# Altium PCB P22296-1-DES-1.2.PcbDoc (part 1 of 5) (continued)
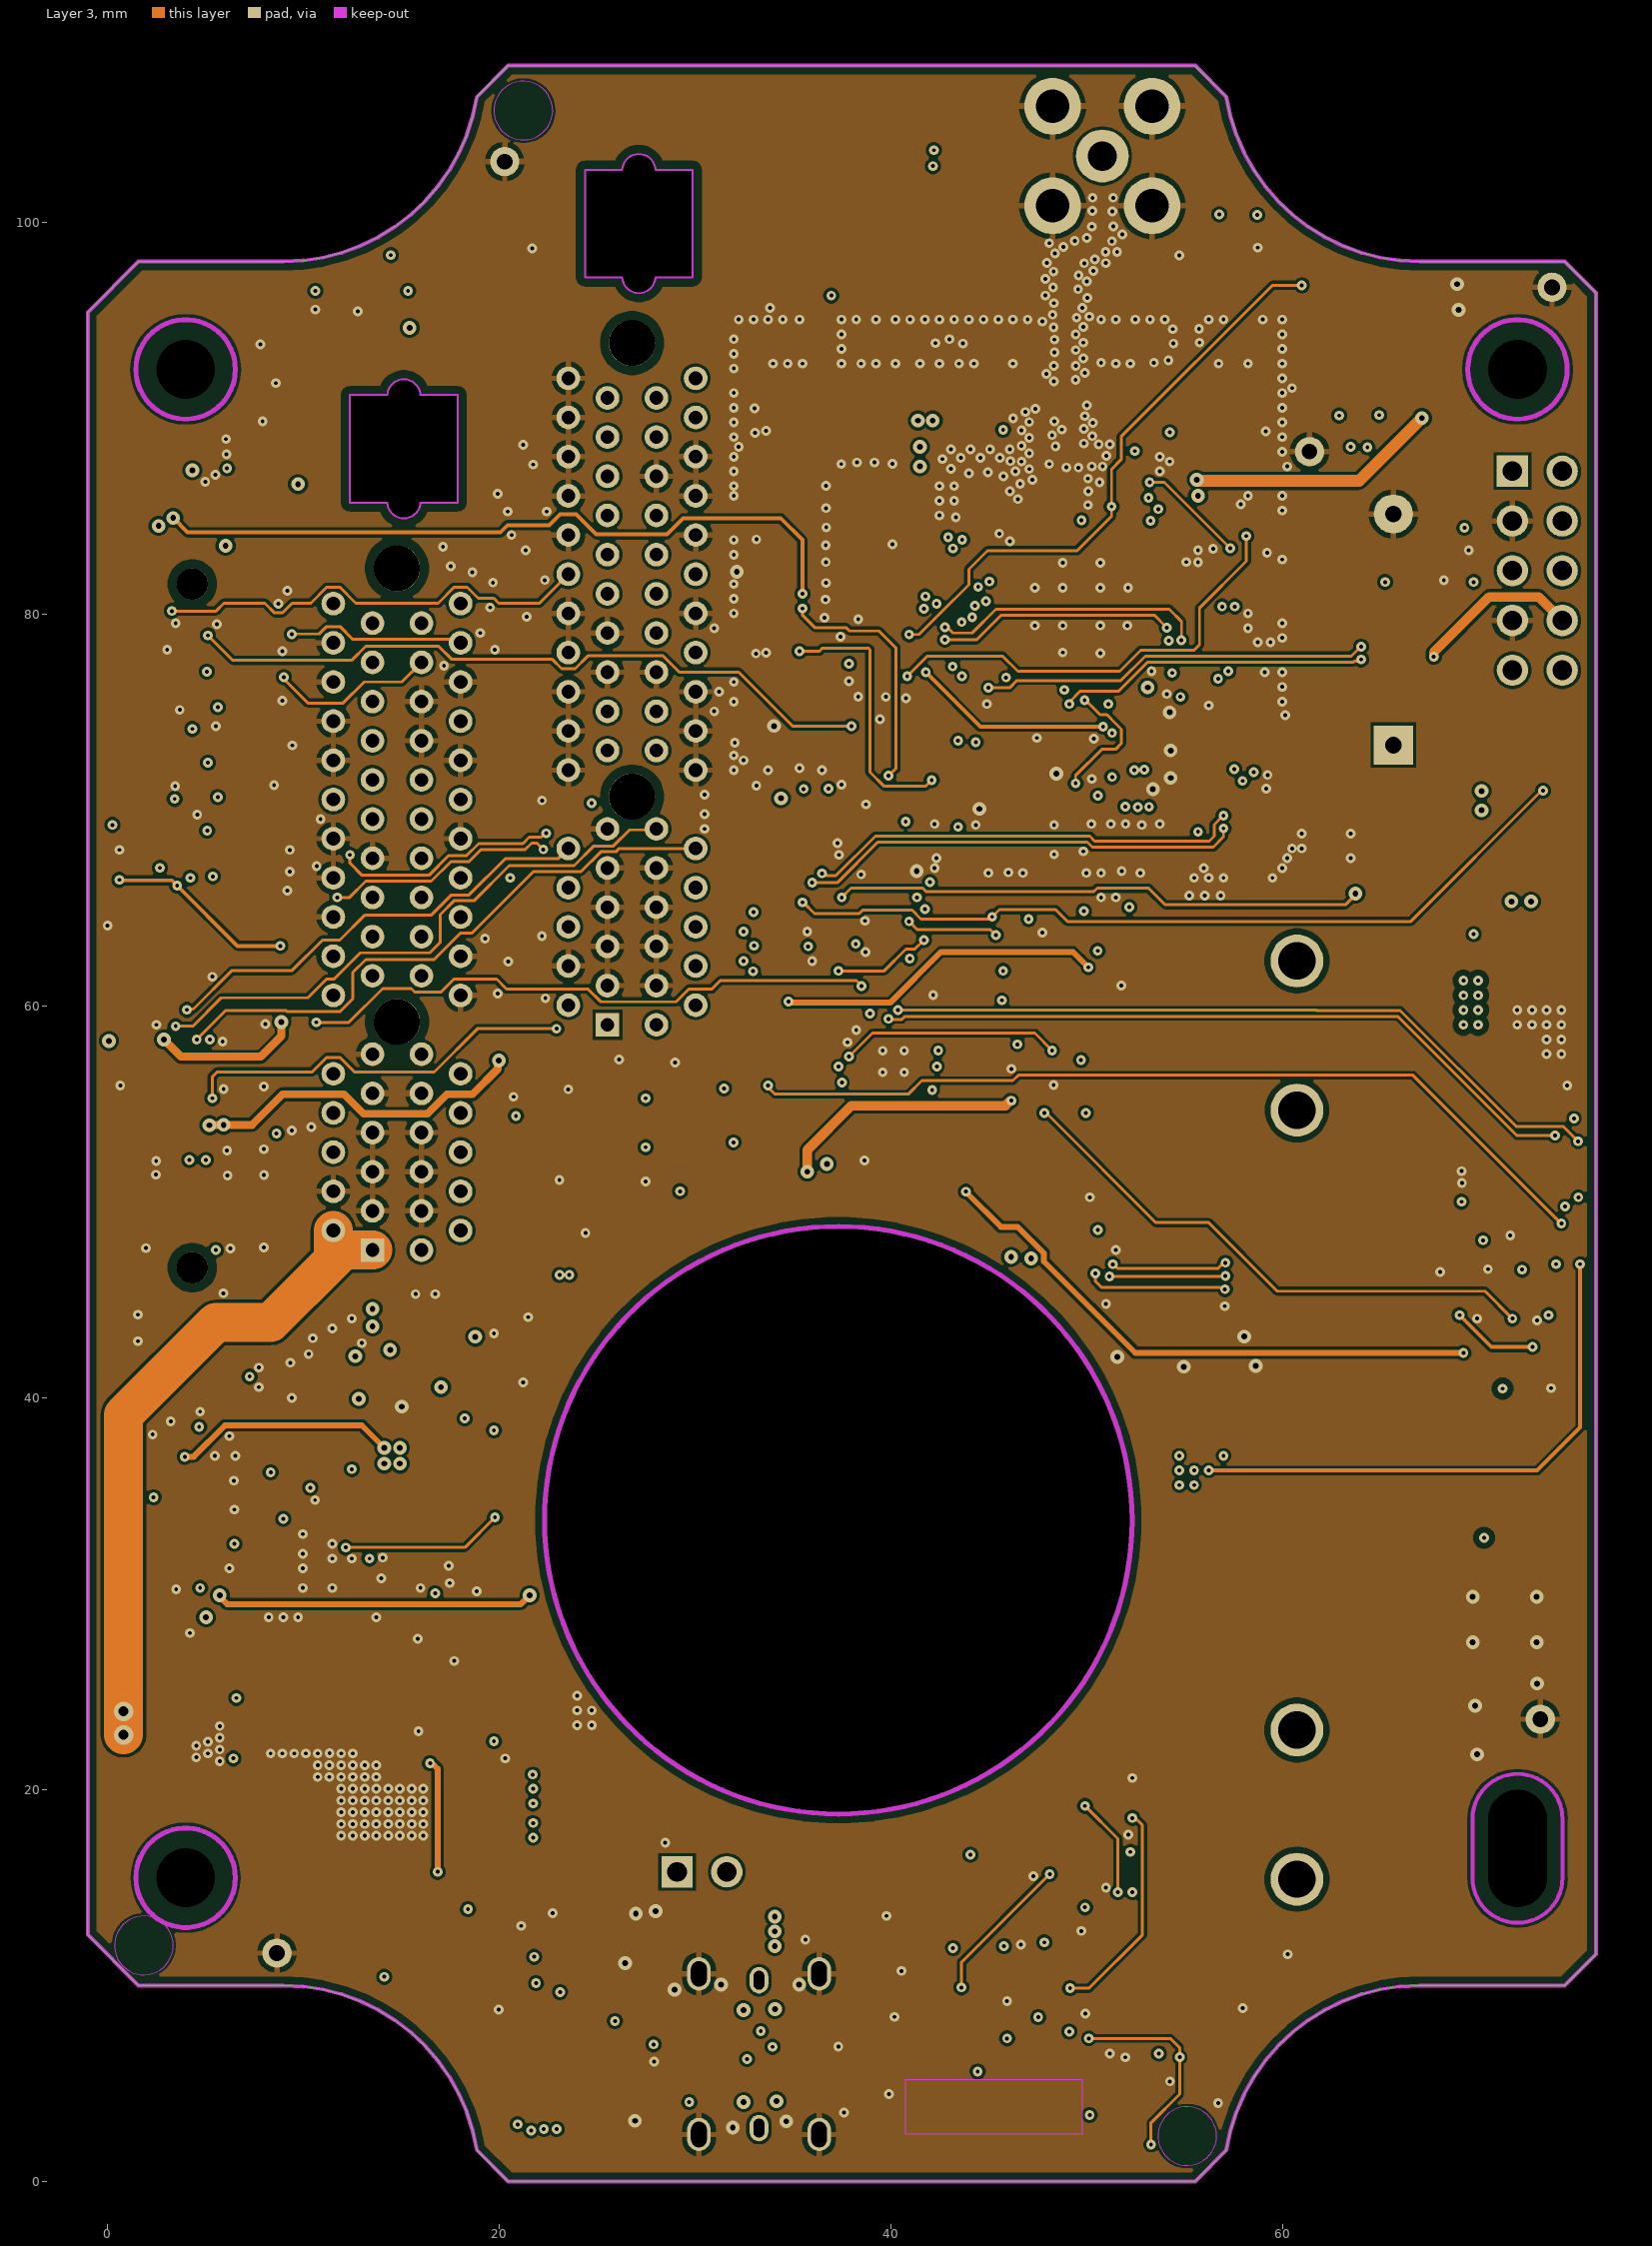
[diagram p4: Layer 3]
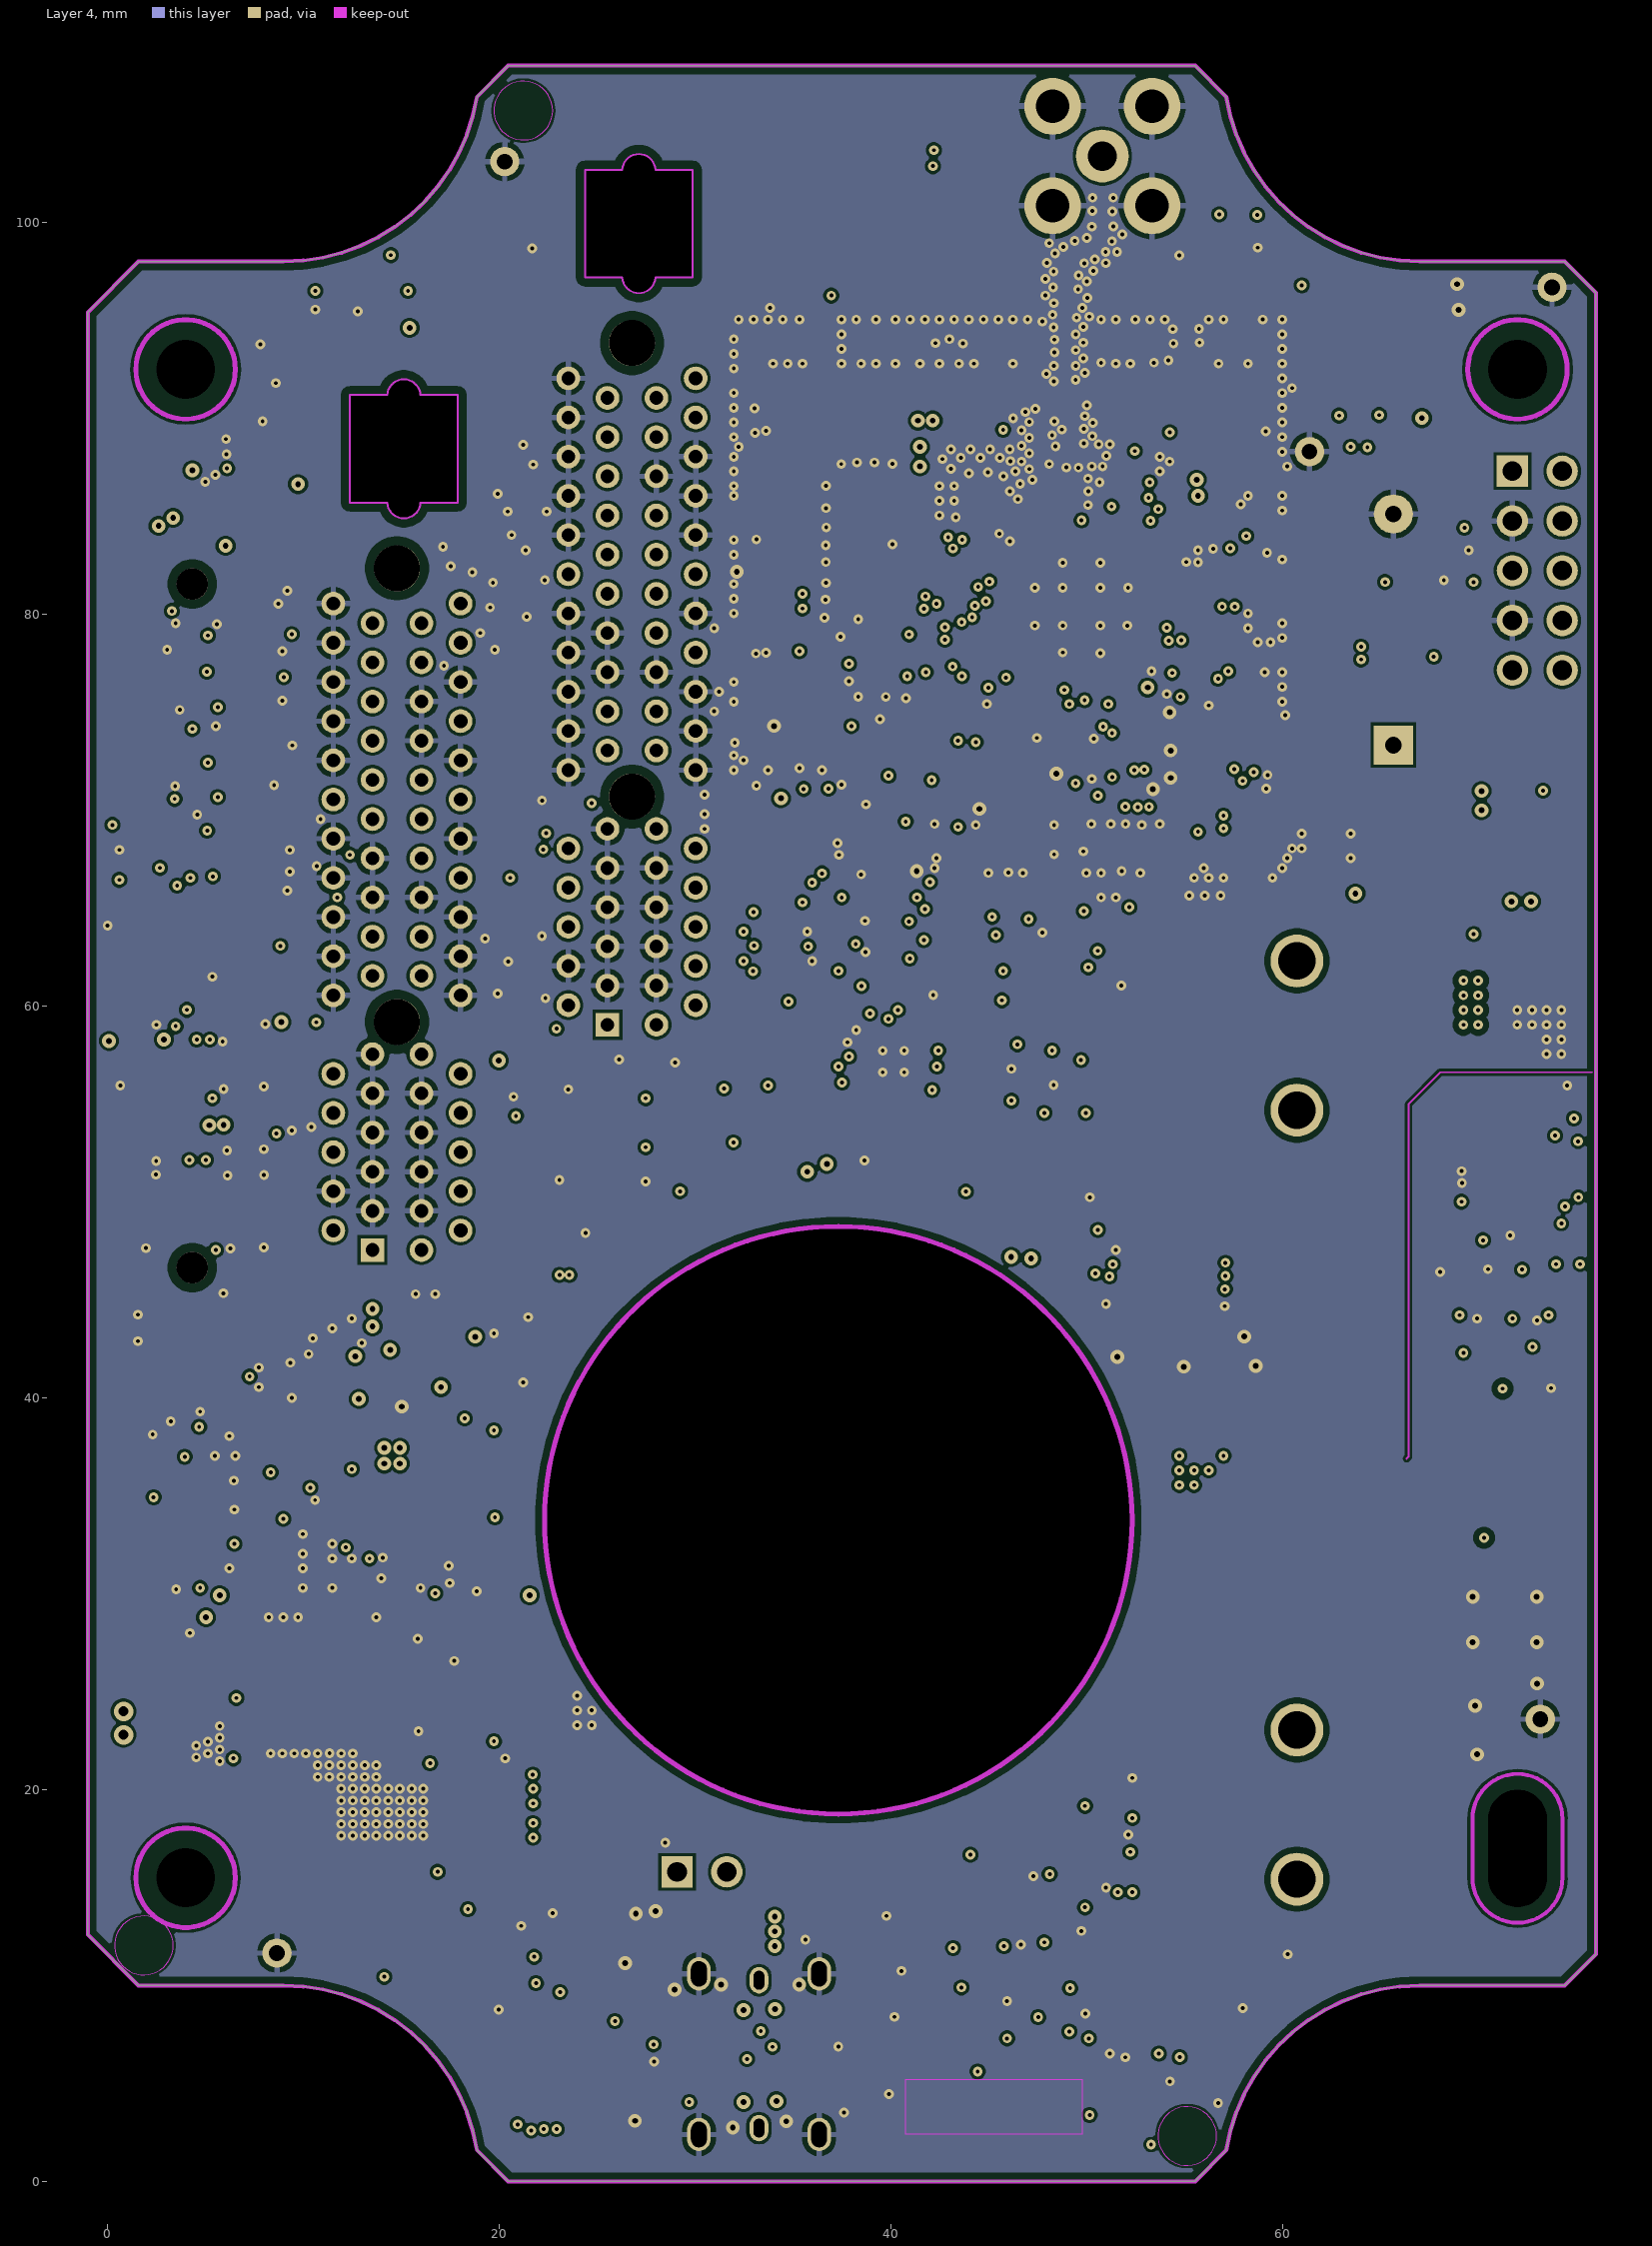
[diagram p5: Layer 4]

## Layer stack, top to bottom
Top Solder: solder mask 0.0102, Solder Resist, Dk 3.5
Top Layer: signal copper 0.035
Dielectric 2: prepreg 0.115, PP-006, Dk 4.1
Layer 1: signal copper 0.035
Dielectric 4: prepreg 0.115, PP-006, Dk 4.1
Layer 2: signal copper 0.035
Dielectric 1: core 1.15, FR-4, Dk 4.2
Layer 3: signal copper 0.035
Dielectric 3: prepreg 0.115, PP-006, Dk 4.1
Layer 4: signal copper 0.035
Dielectric3: dielectric 0.115, FR-4, Dk 4.8
Bottom Layer: signal copper 0.0356
Bottom Solder: solder mask 0.0102, Solder Resist, Dk 3.5

## Board outline
11.977,9.547 12.923,9.199 13.828,8.757 14.685,8.227 15.484,7.613 16.217,6.921 16.877,6.16 17.457,5.335 17.951,4.457 18.354,3.533 18.662,2.574 18.872,1.588 20.459,0.001 55.538,0.001 57.125,1.588 57.335,2.574 57.643,3.533 58.046,4.457 58.54,5.335 59.12,6.16 59.78,6.921 60.513,7.613 61.312,8.227 62.169,8.757 63.074,9.199 64.02,9.547 64.996,9.798 65.992,9.95 66.998,10.001 74.411,10.001 75.998,11.588 76.001,96.413 75.998,96.413 74.411,98.001 66.998,98.001 65.992,98.052 64.996,98.204 64.02,98.455 63.074,98.803 62.169,99.245 61.312,99.775 60.513,100.389 59.78,101.081 59.12,101.842 58.54,102.666 58.046,103.545 57.643,104.468 57.335,105.428 57.125,106.413 55.538,108.001 20.459,108.001 18.872,106.413 18.662,105.428 18.354,104.468 17.951,103.545 17.457,102.666 16.877,101.842 16.217,101.081 15.484,100.389 14.685,99.775 13.828,99.245 12.923,98.803 11.977,98.455 11.001,98.204 10.005,98.052 8.998,98.001 1.586,98.001 -1.005,95.41 -1,95.41 -1,12.588 -1.001,12.588 1.586,10.001 8.998,10.001 10.005,9.95 11.001,9.798
cut-out: 22.323,33.748 ccw(c37.323,33.748) 37.323,18.748 ccw(c37.323,33.748) 52.323,33.748 ccw(c37.323,33.748) 37.323,48.748 ccw(c37.323,33.748)

## Design rules (kind name [scope] priority, off if disabled: settings)
BoardOutlineClearance [OnCopper] p1: gap=0.45 ignorepadtopadclearanceinfootprint=FALSE
Clearance Clearance_SMT_pad_PTH [IsPad vs IsPad] p1: gap=0.2 ignorepadtopadclearanceinfootprint=FALSE except(0.3: SMDPad-THPad)
Clearance Clearance_SMT_pad_via [IsVia and not InAnyComponent vs IsPad] p2: gap=0.1 ignorepadtopadclearanceinfootprint=FALSE
Clearance Clearance_NPTH [(ObjectKind = 'Pad') And (PadIsPlated = 'False')] p3: gap=0.45 ignorepadtopadclearanceinfootprint=FALSE except(0: Arc-Hole Track-Hole SMDPad-Hole THPad-Hole Via-Hole Fill-Hole Text-Hole)
Clearance Clearance_BoardEdge [OnLayer('Board Outline')] p4: gap=0.45 ignorepadtopadclearanceinfootprint=FALSE except(0: Arc-Hole Track-Hole SMDPad-Hole THPad-Hole Via-Hole Fill-Hole Poly-Hole Region-Hole Text-Hole)
Clearance Clearance_cutout [IsBoardCutoutRegion] p5: gap=0.45 ignorepadtopadclearanceinfootprint=FALSE
Clearance Clearance_pack+/- [InNet('pack+_8') or InNet('pack-_8')] p6: gap=0.3 ignorepadtopadclearanceinfootprint=FALSE except(0: Arc-Hole Track-Hole SMDPad-Hole THPad-Hole Via-Hole Fill-Hole Poly-Hole Region-Hole Text-Hole; 0.45: Fill-Fill Fill-Poly Fill-Region Poly-Poly Poly-Region Region-Region)
Clearance Clearance_1 [All] p7: gap=0.15 ignorepadtopadclearanceinfootprint=FALSE
ComponentClearance Kader [InComponent('KAder?')] p1: gap=0 collisioncheckmode=3 verticalgap=0 showdistances=FALSE
ComponentClearance [All] p2 off: gap=0.25 collisioncheckmode=3 verticalgap=0.25 showdistances=FALSE
DiffPairsRouting 100R [InNetClass('100R_diff')] p1: maxlimit=0.15 minlimit=0.15 mostfreqgap=0.15 toplayer_minwidth=0.1 toplayer_maxwidth=0.125 toplayer_prefwidth=0.115 midlayer1_mingap=0 midlayer1_maxgap=0 midlayer1_prefgap=0 midlayer1_minwidth=0 midlayer1_maxwidth=0 midlayer1_prefwidth=0 midlayer2_mingap=0 midlayer2_maxgap=0 midlayer2_prefgap=0 midlayer2_minwidth=0 midlayer2_maxwidth=0 midlayer2_prefwidth=0 midlayer3_mingap=0 midlayer3_maxgap=0 midlayer3_prefgap=0 midlayer3_minwidth=0 midlayer3_maxwidth=0 midlayer3_prefwidth=0 midlayer4_mingap=0 midlayer4_maxgap=0 midlayer4_prefgap=0 midlayer4_minwidth=0 midlayer4_maxwidth=0 midlayer4_prefwidth=0 bottomlayer_minwidth=0.1 bottomlayer_maxwidth=0.125 bottomlayer_prefwidth=0.115 filterlayerstackid={312B1E9B-CC72-4532-9EEE-8D520B33B867} maxuncoupledlength=2
DiffPairsRouting 90R [InNetClass('90R')] p2: maxlimit=0.1 minlimit=0.1 mostfreqgap=0.1 toplayer_minwidth=0.167 toplayer_maxwidth=0.167 toplayer_prefwidth=0.167 midlayer1_mingap=0 midlayer1_maxgap=0 midlayer1_prefgap=0 midlayer1_minwidth=0 midlayer1_maxwidth=0 midlayer1_prefwidth=0 midlayer2_mingap=0 midlayer2_maxgap=0 midlayer2_prefgap=0 midlayer2_minwidth=0 midlayer2_maxwidth=0 midlayer2_prefwidth=0 midlayer3_mingap=0 midlayer3_maxgap=0 midlayer3_prefgap=0 midlayer3_minwidth=0 midlayer3_maxwidth=0 midlayer3_prefwidth=0 midlayer4_mingap=0 midlayer4_maxgap=0 midlayer4_prefgap=0 midlayer4_minwidth=0 midlayer4_maxwidth=0 midlayer4_prefwidth=0 bottomlayer_minwidth=0.167 bottomlayer_maxwidth=0.167 bottomlayer_prefwidth=0.167 filterlayerstackid={312B1E9B-CC72-4532-9EEE-8D520B33B867} maxuncoupledlength=2
Height [All] p1: minheight=0 maxheight=25 prefheight=12.5
HoleSize HoleSize-PTH [All] p1: absolutevalues=TRUE maxlimit=6 minlimit=0.2 maxpercent=80.000 minpercent=20.000
HoleToHoleClearance [All] p1: gap=0.25 allowstackedmicrovias=TRUE
MinimumAnnularRing "Minimum IAR" [((ObjectKind = 'Pad') OR (ObjectKind = 'Via')) And (Layer = 'MultiLayer')] p1: minimumring=0.13 // minimum inner annular ring for pads <= 0.45mm finished hole size
MinimumSolderMaskSliver [All vs All And (not Footprint)] p1: minsoldermaskwidth=0.15
PlaneClearance PlaneClearance-IPI [All] p1: clearance=0.4
PlaneConnect [All] p1: pad.planeconnectstyle=Relief pad.reliefexpansion=0.3 pad.reliefentries=4 pad.reliefconductorwidth=0.3 pad.reliefairgap=0.4 via.planeconnectstyle=Direct via.reliefexpansion=0.4 via.reliefentries=4 via.reliefconductorwidth=0.2 via.reliefairgap=0.2
PolygonConnect PolygonConnect-via [IsVia vs PolygonHatchingStyle = 'Solid'] p1: connectstyle=Direct reliefconductorwidth=0.2 reliefentries=4 polygonreliefangle="90 Angle" airgapwidth=0.254
PolygonConnect PolygonConnect-xTW [All] p2: thpad.connectstyle=Relief thpad.reliefconductorwidth=0.3 thpad.reliefentries=4 thpad.polygonreliefangle="90 Angle" thpad.airgapwidth=0.25 smdpad.connectstyle=Relief smdpad.reliefconductorwidth=0.25 smdpad.reliefentries=4 smdpad.polygonreliefangle="90 Angle" smdpad.airgapwidth=0.151 via.connectstyle=Direct via.reliefconductorwidth=0.2 via.reliefentries=4 via.polygonreliefangle="90 Angle" via.airgapwidth=0.254
RoutingCorners [All] p1: cornerstyle=45-Degree minsetback=2.5 maxsetback=2.5
RoutingVias [All] p1: holewidth=0.5 width=1 viastyle="Through Hole" minholewidth=0.3 minwidth=0.7 maxholewidth=2 maxwidth=3 useviatemplates=TRUE viatemplateguid#1={7E2CDFD7-C341-4B7F-98D0-8D6F668F34CA} viatemplateguid#2={50E05496-B0AB-4145-91CA-67CF2ED80195} viatemplateguid#3={A4508789-C83E-4805-BE29-467C5F1A13FF} viatemplateguid#4={FAD145AD-F6A4-4639-B456-28A88137E52E} viatemplateguid#5={950974CF-619A-461D-A921-12D5B30B9ABB} viatemplateguid#6={784904E8-06EC-43BE-8358-C1F8FBF37C90} viatemplatename#1=v50h20m0mx0 viatemplatename#2=v70h30m60mx0_2670034071 viatemplatename#3=v100h50m85mx0 viatemplatename#4=v140h70m120mx0 viatemplatename#5=v200h100m170mx0 viatemplatename#6=v300h150m0mx0 // finishet hole size <= 0.45mm
SilkToSilkClearance [All] p1: silktosilkclearance=0.2
SilkToSolderMaskClearance SilkscreenOverComponentPads [IsPad] p1: minsilkscreentomaskgap=0.175 clearancetoexposedcopper=TRUE
SolderMaskExpansion [All] p1: expansion=0.05 istentingtop=FALSE
UnRoutedNet [All] p1: checkbadconnections=TRUE
Width [All] p1: maxlimit=2 minlimit=0.115 preferedwidth=0.254
Width Width_InPolygon [InPolygon] p2: maxlimit=5.08 minlimit=0.2 preferedwidth=0.2
Width 50R [All] p3: maxlimit=0.17 minlimit=0.17 preferedwidth=0.17 midlayer1_minwidth=0 midlayer1_maxwidth=0 midlayer1_prefwidth=0 midlayer2_minwidth=0 midlayer2_maxwidth=0 midlayer2_prefwidth=0 midlayer3_minwidth=0 midlayer3_maxwidth=0 midlayer3_prefwidth=0 midlayer4_minwidth=0 midlayer4_maxwidth=0 midlayer4_prefwidth=0 minimp=50.000000 maximp=50.000000 favimp=50.000000 checkconnectedcopper=TRUE
18 further rules are at their usual default settings.

## Classes and differential pairs
net class USART2: USART2.CTS USART2.RTS USART2.RX USART2.TX
component class U_Power1: C13 C26 C46 C47 C48 C49 C50 C51 C52 C65 C72 C80 C85 C90 C91 C92 C94 C96 C103 D4 D5 D6 D7 D8 D11 D13 D14 D15 D19 D27 D29 D31 D32 D34 H1 H7 H8 H9 J7 J10 J12 J13 J14 J20 J23 J24 L4 R7 R31 R33 R37 R38 R39 R40 R41 R42 R47 R52 R58 R66 R67 R85 R89 R90 R93 R94 R95 R96 R98 R102 R103 R104 R105 R106 R107 R112 R113 R115 R138 R139 R140 R141 R142 R143 R144 R153 T4 T5 T6 T7 T9 T10 T17 T18 T19 T20 T21 TS19 TS21 U11 U17 U20 U21 U25
component class U_Power2: C4 C5 C8 C16 C55 C56 C57 C58 C59 C88 C89 C93 C95 D1 D9 J2 J6 J15 J17 J18 R1 R5 R6 R36 R48 R108 R109 R110 R111 R114 R146 U1 U3 U19 U22
net class RSVD: RSVD.0_11 RSVD.1_11 RSVD.2_11 RSVD.3_11
net class SHARED_GPIO: SHARED_GPIO.GPIO1_11 SHARED_GPIO.GPIO2_11 SHARED_GPIO.GPIO3_11 SHARED_GPIO.GPIO4_11 SHARED_GPIO.GPIO5_11 SHARED_GPIO.GPIO6_11 SHARED_GPIO.GPIO7_11 SHARED_GPIO.GPIO8_11
net class 100R_diff: RFI_5_N RFI_5_P
component class MCU_RF: C1 C2 C3 C6 C7 C9 C10 C11 C12 C15 C18 C20 C23 C29 C31 C60 C63 C64 C66 C67 C73 H4 J1 L2 L5 L7 R2 R3 R4 S2 U2 U4
differential pair class USB: USB_D_3
net class 90R: USB_D_3_N USB_D_3_P
component class U_RTC: C38 C42 C43 C74 D28 D30 R20 R21 R23 R24 R25 R26 R27 R29 R30 R80 R81 R84 R88 R145 R154 S1 T22 TS1 TS6 TS9 TS23 TS28 TS29 TS30 TS31 TS32 TS34 TS38 U10 XT3
net class 50ohm: NetC1_2 NetC3_2 NetC11_1 NetC12_2 NetC15_2 NetC18_1 NetC18_2
net class SPI_sys: SPI_sys.MISO SPI_sys.MOSI SPI_sys.SCK
net class I2C_sys: I2C_sys.SCL I2C_sys.SDA
component class U_USB: C53 C54 C99 C101 D16 D17 D18 D20 J22 NT1 R43 R44 R45 R46 R122 R123 R124 R130 TS41 U12
component class U_Memory: C97 C98 C100 C102 C104 D33 J21 R116 R117 R118 R119 R120 R121 R125 R126 R127 R128 R129 TS39 TS40 TS45 TS46 TS48 TS49 TS50 U23 U24
component class U_Sensor: C33 C78 D21 D22 D23 D24 D25 D26 J9 R59 R60 R63 R64 R68 R69 R73 R74 R75 R76 R77 R78 R83 R147 R148 R149 R150 R151 R152 T11 T12 T13 T14 T15 T16 U8 U15
component class U_Mechanical: FD1 FD2 FD3 H2 H3 H5 H6 LBL1 LBL2 ZZDIV1 ZZDIV2
component class U_MCU: C14 C17 C19 C21 C22 C24 C25 C27 C28 C30 C32 C34 C35 C37 C61 C68 C69 C70 C71 C76 C77 D2 D3 J3 J5 J11 J19 J25 J27 L1 L3 R8 R9 R10 R11 R12 R13 R14 R15 R16 R17 R18 R19 R49 R50 R51 R53 R54 R55 R56 R57 R61 R65 R70 R71 R72 R79 R131 R132 R133 R134 R135 R136 R137 S3 T1 TS4 TS5 TS13 TS14 TS15 TS16 TS17 TS18 TS20 TS22 TS24 TS25 TS26 TS27 TS42 TS43 TS44 TS47 U5 U14 XT1 XT2
component class U_BatteryMonitor: B1 B2 C44 C45 C81 C82 C84 C86 C87 D10 D12 F1 J16 R32 R34 R35 R62 R82 R86 R87 R91 R92 R97 R99 R100 R101 RT1 T2 T3 T8 TS7 TS8 TS10 TS11 TS12 TS33 TS35 TS36 TS37 U18
net class I2C_bus: I2C_bus.SCL I2C_bus.SDA
component class SensorSlot2: C36 C39 C79 C83 J8 R28 U7 U16
component class SensorSlot1: C40 C41 C62 C75 J4 R22 U9 U13
differential pair RFI_5: +RFI_5_P -RFI_5_N
differential pair USB_D_3: +USB_D_3_P -USB_D_3_N

## Components (designator, comment, footprint, x,y, rotation, side; value= is the part's Value field where it differs from the comment)
B1 "AA holder contact" ADD-900G002-000 60.737,48.001 r0 top locked
B2 "AA holder contact" ADD-900G002-000 60.737,29.721 r180 top locked
C1 "1nF" CAP-000G001-002 49.133,97.876 r180 top
C2 "1nF" CAP-000G001-002 49.135,96.063 r180 top
C3 "39p" CAP-000G001-002 48.893,95.067 r270 top
C4 "10u 10V" CAPC1608X09N 9.725,95.403 r270 top
C5 "1u 25V" CAPC1608X09N 8.513,92.791 r0 top
C6 "100nF" CAP-000G001-002 46.97,91.234 r90 top
C7 "1nF" CAP-000G001-002 47.621,91.225 r90 top
C8 "100n" CAPC1608X09N 8.513,90.716 r0 top
C9 "1nF" CAP-000G001-002 50.612,90.597 r90 top
C10 "100nF" CAP-000G001-002 51.269,90.597 r90 top
C11 "39p" CAP-000G001-002 47.646,88.998 r90 top
C12 "10p" CAP-000G001-002 50.191,88.12 r180 top
C13 "0F47" CAP-003G000-002 65.662,79.216 r90 top locked
C14 "220E" RESC1005X04N 39.038,85.941 r90 top
C15 "68p" Cap-000G002-002 44.732,86.066 r0 top
C16 "1u 25V" CAPC1608X09N 7.713,85.916 r0 top
C17 "100n 16V" CAPC1005X05N 50.713,85.541 r270 top
C18 "100p" CAP-000G001-002 47.988,85.841 r90 top
C19 "4u7 10V" CAPC1608X09N 55.789,85.008 r180 top
C20 "47n" Cap-000G002-002 44.726,84.983 r0 top
C21 "10p" CAPC1005X05N 39.488,84.216 r180 top
C22 "100n" CAPC1005X05N 55.271,83.941 r180 top
C23 "33p" CAP-000G001-002 45.013,83.741 r270 top
C24 "100n" CAP-000G001-002 54.288,82.641 r180 top
C25 "10n" CAP-000G001-002 37.938,80.841 r90 top
C26 "10u" CAPC3216X18N 0.825,27.265 r270 top
C27 "33p" CAP-000G001-002 45.788,76.216 r0 top
C28 "100n" CAP-000G001-002 45.788,75.641 r0 top
C29 "100n 16V" CAPC1005X05N 52.789,75.333 r180 top
C30 "4u7 10V" CAPC1608X09N 48.438,73.641 r90 top
C31 "4u7 10V" CAPC1608X09N 53.339,73.958 r180 top
C32 "100n" CAPC1005X05N 50.913,72.941 r0 top
C33 "100n" CAPC1608X09N 9.563,71.641 r270 top
C34 "6p8" CAPC1608X09N 43.486,70.98 r90 top
C35 "100n" CAPC1005X05N 51.189,70.433 r90 top
C36 "100n 16V" CAPC1005X05N 21.063,70.541 r180 top
C37 "6p8" CAPC1608X09N 46.388,69.491 r0 top
C38 "100uV6.3" CAPC3216X13N 41.138,63.191 r0 top
C39 "100n 16V" CAPC1005X05N 20.413,63.441 r0 top
C40 "100n" CAPC1608X09N 20.763,61.466 r0 top
C41 "1u 10V" CAPC1608X09N 19.838,58.991 r270 top
C42 "100n" CAPC1608X09N 37.788,53.216 r90 top
C43 "47p" CAPC1608X09N 39.488,53.216 r90 top
C44 "100n 16V" CAPC1005X05N 72.238,47.791 r270 top
C45 "1u 25V" CAPC1608X09N 70.738,43.291 r270 top
C46 "270p 25V" CAPC1005X05N 16.642,39.366 r180 top
C47 "100n" CAPC1608X09N 19.163,31.291 r0 top
C48 "100n" CAPC1608X09N 7.749,26.466 r90 top
C49 "47p" CAPC1608X09N 5.038,25.741 r90 top
C50 "100n" CAPC1608X09N 8.499,20.841 r180 top
C51 "47u 16V" CAPC3225X27N 19.013,18.841 r0 top
C52 "4u7" CAPC3216X13N 9.238,18.841 r180 top
C53 "4u7" CAPC3216X13N 27.588,11.166 r270 top
C54 "100n" CAPC1608X09N 25.538,10.341 r270 top
C55 "100n" CAPC1608X09N 13.538,96.265 r0 bottom
C56 "1u 25V" CAPC1608X09N 13.538,97.481 r0 bottom
C57 "100n" CAPC1608X09N 8.538,85.241 r270 bottom
C58 "1u 25V" CAPC1608X09N 7.338,85.241 r270 bottom
C59 "10u 10V" CAPC1608X09N 6.038,85.241 r270 bottom
C60 "100n 16V" CAPC1005X05N 44.221,84.791 r270 bottom
C61 "100n 16V" CAPC1005X05N 49.988,83.791 r0 bottom
C62 "100n 16V" CAPC1005X05N 33.713,82.891 r0 bottom
C63 "100n 16V" CAPC1005X05N 45.936,82.438 r180 bottom
C64 "33p" CAP-000G001-002 45.789,81.783 r180 bottom
C65 "10n 25V" CAPC1005X05N 68.738,80.291 r270 bottom
C66 "33p" CAP-000G001-002 45.844,80.497 r180 bottom
C67 "470nF" CAPC1608X09N 45.289,78.533 r180 bottom
C68 "100n" CAPC1005X05N 48.139,76.958 r270 bottom
C69 "100n" CAPC1005X05N 49.739,76.783 r270 bottom
C70 "33p" CAP-000G001-002 48.839,77.208 r270 bottom
C71 "33p" CAPC1005X05N 50.589,76.708 r270 bottom
C72 "100n 16V" CAPC1005X05N 16.488,22.072 r0 bottom
C73 "33p" CAP-000G001-002 51.613,76.041 r270 bottom
C74 "100n" CAPC1608X09N 51.482,62.724 r90 bottom
C75 "100n 16V" CAPC1005X05N 33.138,74.791 r90 bottom
C76 "100n" CAPC1005X05N 50.013,74.591 r45 bottom
C77 "100n" CAPC1608X09N 35.088,69.391 r180 bottom
C78 "100n" CAPC1608X09N 8.863,61.241 r90 bottom
C79 "100n" CAPC1608X09N 22.138,57.016 r180 bottom
C80 "1u 25V" CAPC1608X09N 25.338,56.366 r180 bottom
C81 "100n" CAPC1608X09N 73.738,55.081 r270 bottom
C82 "100n" CAPC1608X09N 68.988,55.081 r270 bottom
C83 "1u 10V" CAPC1608X09N 22.888,53.766 r90 bottom
C84 "100n" CAPC1608X09N 71.288,52.641 r180 bottom
C85 "1u 25V" CAPC1608X09N 25.238,49.266 r0 bottom
C86 "1u 25V" CAPC1608X09N 69.038,46.166 r270 bottom
C87 "100n 16V" CAPC1005X05N 70.488,43.291 r0 bottom
C88 "1u 25V" CAPC1608X09N 6.488,39.516 r0 bottom
C89 "1u 25V" CAPC1608X09N 3.238,36.991 r270 bottom
C90 "1u 25V" CAPC1608X09N 12.142,37.216 r0 bottom
C91 "100n 16V" CAPC1005X05N 9.438,37.066 r180 bottom
C92 "10n 25V" CAPC1005X05N 13.038,34.941 r0 bottom
C93 "100n 16V" CAPC1005X05N 5.238,34.791 r180 bottom
C94 "10n 25V" CAPC1005X05N 19.268,32.291 r180 bottom
C95 "100n 16V" CAPC1005X05N 3.488,32.041 r0 bottom
C96 "68n" CAPC2013X14N 5.188,25.841 r0 bottom
C97 "100n" CAPC1608X09N 57.113,14.007 r270 bottom
C98 "100n" CAPC1608X09N 46.088,14.732 r90 bottom
C99 "4u7" CAPC3216X13N 22.938,8.841 r0 bottom
C100 "100n" CAPC1608X09N 46.838,8.398 r270 bottom
C101 "100n" CAPC1608X09N 23.638,7.066 r0 bottom
C102 "10u 16V" CAPC1608X09N 49.038,6.098 r180 bottom
C103 "100n 16V" CAPC1005X05N 18.773,20.791 r0 bottom
C104 "100n" CAPC1608X09N 47.281,17.241 r90 top
D1 "" LED_0603_ANODE 20.689,97.919 r90 top
D2 "" LED_0603 55.763,99.528 r90 top
D3 "" LED_0603_ANODE 57.716,99.528 r270 top
D4 "" LED_0603_ANODE 35.238,89.291 r180 top
D5 "" LED_0603_ANODE 48.355,49.292 r0 top
D6 "" LED_0603_ANODE 21.288,44.791 r0 top
D7 "BAS716" SODFL16080X62N 15.138,43.541 r0 top
D8 "BAS716" SODFL16080X62N 11.938,41.941 r270 top
D9 "" LED_0603_ANODE 8.488,43.041 r0 top
D10 "D4V5H1U2LP" DFN110P160X55-2N 59.888,39.766 r270 top
D11 "RB530SM-30T2R" SODFL16080X62N 10.15,40.716 r270 top
D12 "PESD5V0V1BDSF,315" DIO-000G003-002 61.23,33.074 r90 top
D13 "B340" DIO-001001-002 3.138,19.871 r0 top
D14 "" LED_0603_ANODE 27.488,19.041 r270 top
D15 "B340" DIO-001001-002 23.738,15.8 r180 top
D16 "" LED_0603_ANODE 21.088,11.441 r90 top
D17 "" LED_0603 18.313,11.216 r270 top
D18 "" LED_0603_ANODE 16.638,11.191 r270 top
D19 "" LED_0603_ANODE 56.975,7.998 r90 top